# Altium PCB Charge ContollerV2.PcbDoc (part 1 of 2) (continued)
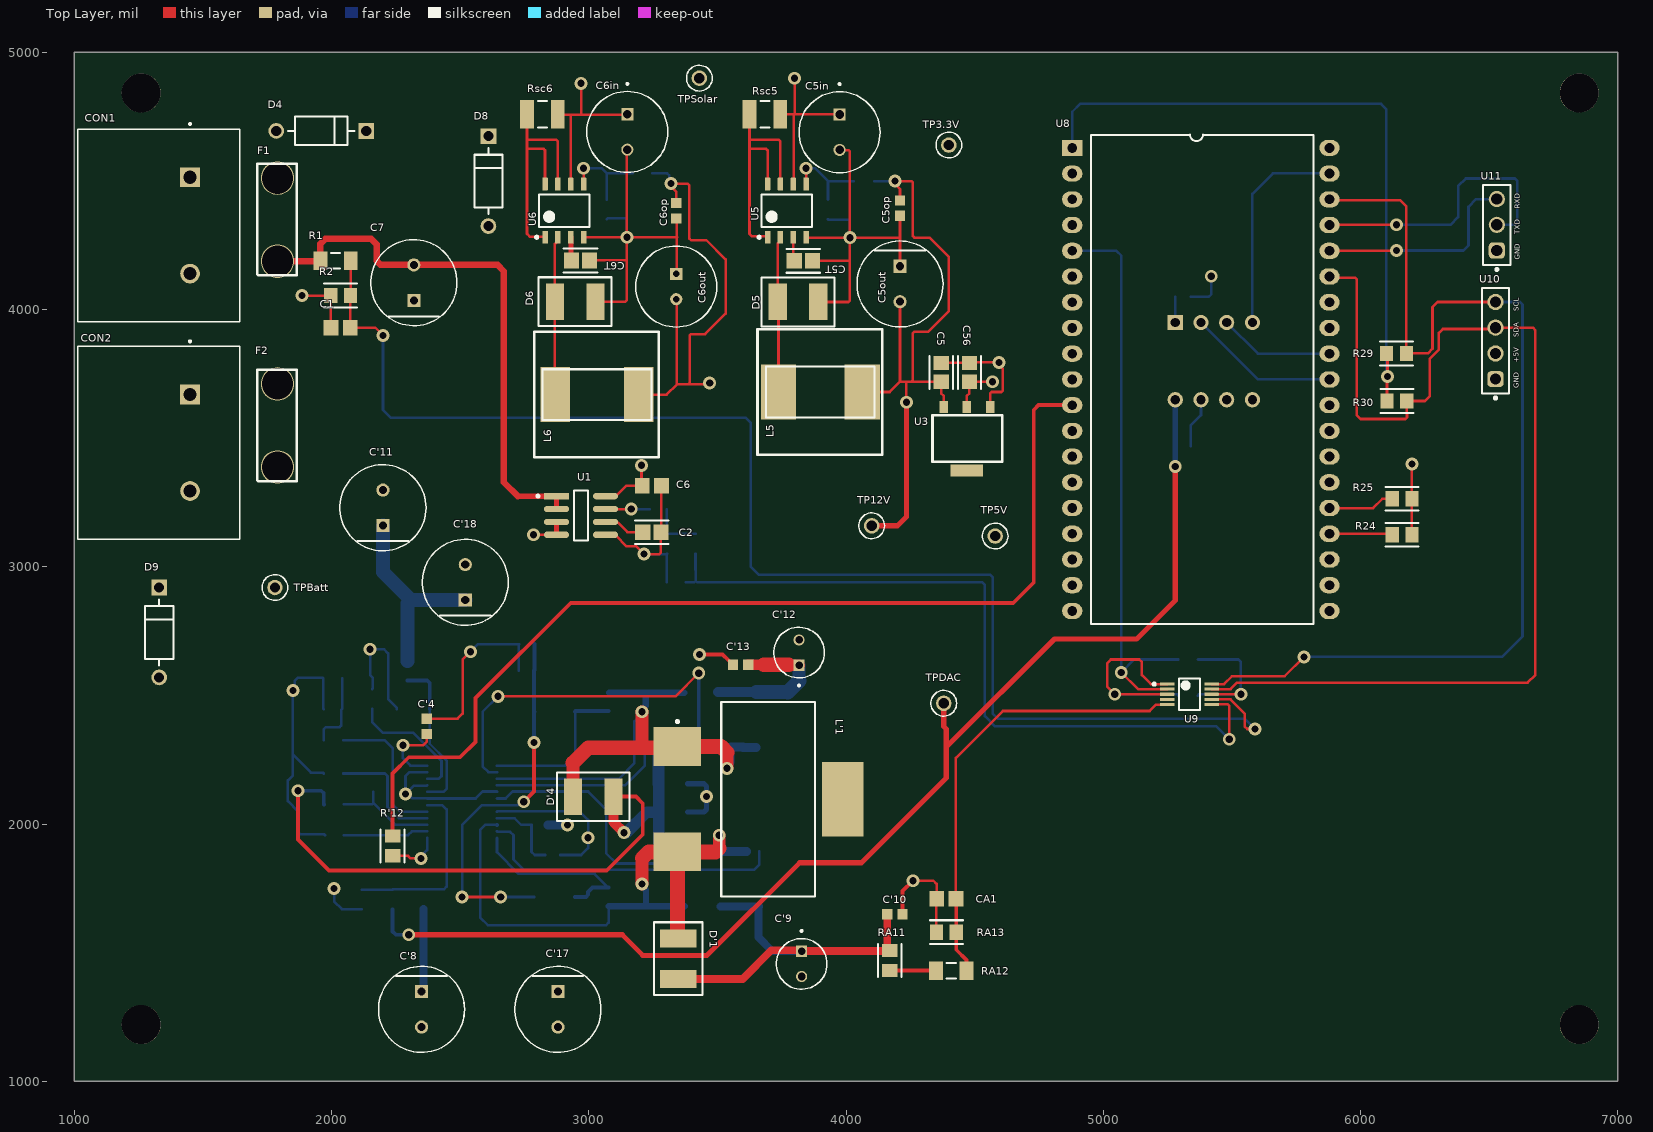
[diagram p0: Top Layer view]
## Part data (continued)
R'10 RA11: library part CRGCQ0805F100K, "Res Thick Film 0805 100K Ohm 1% 0.125W(1/8W) ±100ppm/C Pad SMD Automotive T/R", Ambient Temperature Range High=70°C, Case/Package=0805, Manufacturer="TE Connectivity", Manufacturer Lifecycle Status=ACTIVE, Max Operating Temperature=155°C, Min Operating Temperature=-55°C, Operating Supply Voltage=150V, Power Dissipation=125mW, Supplier Part Number=A129773CT-ND, Temperature Coefficient=100ppm/°C, Tolerance=1%, Category="Chip SMD Resistors", China RoHS=Non-Compliant, ComponentLink1Description=https://datasheet.octopart.com:443/CRGCQ0805F100K-TE-Connectivity-datasheet-114679081.pdf?src-supplier=Master+Electronics, ComponentLink1URL=https://datasheet.octopart.com:443/CRGCQ0805F100K-TE-Connectivity-datasheet-114679081.pdf?src-supplier=Master+Electronics, ComponentLink2Description=https://datasheet.octopart.com:443/4-2176341-9-TE-Connectivity---AMP-datasheet-189108688.pdf?src-supplier=Master+Electronics, ComponentLink2URL=https://datasheet.octopart.com:443/4-2176341-9-TE-Connectivity---AMP-datasheet-189108688.pdf?src-supplier=Master+Electronics, ComponentLink3Description=https://datasheet.octopart.com:443/CRGCQ0805F100K-TE-Connectivity-datasheet-179146984.pdf?src-supplier=IHS, ComponentLink3URL=https://datasheet.octopart.com:443/CRGCQ0805F100K-TE-Connectivity-datasheet-179146984.pdf?src-supplier=IHS, ComponentLink4Description=https://sigma.octopart.com:443/114695583/technical_drawing/TE-Connectivity-CRGCQ0805F100K.pdf?src-supplier=Sager+Electronics, ComponentLink4URL=https://sigma.octopart.com:443/114695583/technical_drawing/TE-Connectivity-CRGCQ0805F100K.pdf?src-supplier=Sager+Electronics, ComponentLink5Description=https://datasheet.octopart.com:443/4-2176341-9-TE-Connectivity-datasheet-184401332.pdf?src-supplier=Farnell, ComponentLink5URL=https://datasheet.octopart.com:443/4-2176341-9-TE-Connectivity-datasheet-184401332.pdf?src-supplier=Farnell, Composition="Thick Film", Height=550µm, Lifecycle Status=Production, Manufacturer Part Number=CRGCQ0805F100K, Mounting Technology="Surface Mount", Number of Terminals=2, Packaging="Cut Tape", Power Rating=125mW, Pricing="1=0.1, 10=0.036, 25=0.0272, 50=0.0224, 100=0.0185, 250=0.01456, 500=0.01242, 1000=0.01059 (USD)", REACH SVHC=Yes, RoHS=Compliant, Schedule B="8533210025, 8533210025|8533210025|8533210025|8533210025|8533210025|8533210025|8533210025|8533210025, 8533210025|8533210025|8533210025|8533210025|8533210025|8533210025|8533210025|8533210025|8533210025, 8533210025|8533210025|8533210025|8533210025|8533210025|8533210025|8533210025|8533210025|8533210025|8533210025", Stock=228346, Supplier=DigiKey, Voltage Rating=150V, Voltage Rating (DC)=150V, Width=1.25mm, Working Voltage=150V
Rsc5 Rsc6: library part RCWE1210R330FKEA, "RCWE Series 1210 1 W 0.33 Ohm ±1 % ±100 ppm/°C Thick Film Chip Resistor", Case Code (Imperial)=1210, Case Code (Metric)=3225, Manufacturer=Vishay, Max Operating Temperature=155°C, Max Power Dissipation=1W, Min Operating Temperature=-55°C, Supplier Part Number=RCWE.33FCT-ND, Temperature Coefficient=100ppm/°C, Tolerance=1%, Working Voltage=574.5mV, Case/Package=1210, Category="Chip SMD Resistors", China RoHS=Non-Compliant, ComponentLink1Description=https://datasheet.octopart.com:443/RCWE1210R330FKEA-Vishay-datasheet-170667730.pdf?src-supplier=IHS, ComponentLink1URL=https://datasheet.octopart.com:443/RCWE1210R330FKEA-Vishay-datasheet-170667730.pdf?src-supplier=IHS, ComponentLink2Description=https://datasheet.octopart.com:443/RCWE1210R330FKEA-Vishay-datasheet-78835242.pdf?src-supplier=Farnell, ComponentLink2URL=https://datasheet.octopart.com:443/RCWE1210R330FKEA-Vishay-datasheet-78835242.pdf?src-supplier=Farnell, ComponentLink3Description=https://datasheet.octopart.com:443/RCWE1210R330FKEA-Vishay-datasheet-10025643.pdf?src-supplier=element14+APAC, ComponentLink3URL=https://datasheet.octopart.com:443/RCWE1210R330FKEA-Vishay-datasheet-10025643.pdf?src-supplier=element14+APAC, ComponentLink4Description=https://datasheet.octopart.com:443/RCWE1210R330FKEA-Vishay-datasheet-13263558.pdf?src-supplier=Factory+Futures, ComponentLink4URL=https://datasheet.octopart.com:443/RCWE1210R330FKEA-Vishay-datasheet-13263558.pdf?src-supplier=Factory+Futures, ComponentLink5Description=https://datasheet.octopart.com:443/RCWE1210R330FKEA-Vishay-datasheet-13248156.pdf?src-supplier=Factory+Futures, ComponentLink5URL=https://datasheet.octopart.com:443/RCWE1210R330FKEA-Vishay-datasheet-13248156.pdf?src-supplier=Factory+Futures, ComponentLink6Description=https://datasheet.octopart.com:443/RCWE1210R330FKEA-Vishay-datasheet-12556293.pdf?src-supplier=Factory+Futures, ComponentLink6URL=https://datasheet.octopart.com:443/RCWE1210R330FKEA-Vishay-datasheet-12556293.pdf?src-supplier=Factory+Futures, ComponentLink7Description=https://datasheet.octopart.com:443/RCWE1210R330FKEA-Vishay-datasheet-12513971.pdf?src-supplier=Factory+Futures, ComponentLink7URL=https://datasheet.octopart.com:443/RCWE1210R330FKEA-Vishay-datasheet-12513971.pdf?src-supplier=Factory+Futures, ComponentLink8Description=http://sigma.octopart.com:80/rohs_statement/Vishay-company-15.pdf?src-supplier=Compliance+Statements, ComponentLink8URL=http://sigma.octopart.com:80/rohs_statement/Vishay-company-15.pdf?src-supplier=Compliance+Statements, Composition="Thick Film", Contact Plating=Tin, Depth=2.5mm, Features="Automotive AEC-Q200, Moisture Resistant", Height=600µm, Lead Free="Lead Free", Length=3.1mm, Lifecycle Status=Production, Manufacturer Part Number=RCWE1210R330FKEA, Military Standard=Not, Mounting Technology="Surface Mount", Number of Terminals=2, Number of Terminations=2, Pins=2, Power Dissipation=1W, Power Rating=1W, Pricing="1=0.49, 10=0.317, 25=0.2692, 50=0.2392, 100=0.2135, 250=0.18528, 500=0.16764, 1000=0.15263 (USD)", Radiation Hardening=No, REACH SVHC=Yes, RoHS=Compliant, Schedule B="8533210045, 8533210045|8533210045|8533210045|8533210045|8533210045", Stock=21995, Supplier=DigiKey, Termination=SMD/SMT, Width=2.5mm
U1: library part ACS712ELCTR-30A-T, "ACS712 Series 30A 66mV/A ±1.5% 5V 5µs Hall Sensor IC - SOIC-8", Ambient Temperature Range High=85°C, Case/Package=SOIC, Current Sensing=30A, Frequency=80kHz, Manufacturer="Allegro MicroSystems", Max Junction Temperature (Tj)=165°C, Max Supply Current=13mA, Max Supply Voltage=5.5V, Min Operating Temperature=-40°C, Min Supply Voltage=4.5V, Operating Supply Current=10mA, Operating Supply Voltage=5V, Output Voltage=8V, Accuracy=1.5%, Bandwidth=80kHz, Body Material=Plastic, Category="Hall Effect Sensors", China RoHS=Non-Compliant, ComponentLink1Description=https://datasheet.octopart.com:443/ACS712ELCTR-30A-T-Allegro-MicroSystems-datasheet-182231169.pdf?src-supplier=IHS, ComponentLink1URL=https://datasheet.octopart.com:443/ACS712ELCTR-30A-T-Allegro-MicroSystems-datasheet-182231169.pdf?src-supplier=IHS, ComponentLink2Description=https://datasheet.octopart.com:443/ACS712ELCTR-30A-T-Allegro-MicroSystems-LLC-datasheet-138895789.pdf?src-supplier=ODG+(Origin+Data+Global), ComponentLink2URL=https://datasheet.octopart.com:443/ACS712ELCTR-30A-T-Allegro-MicroSystems-LLC-datasheet-138895789.pdf?src-supplier=ODG+(Origin+Data+Global), ComponentLink3Description=https://datasheet.octopart.com:443/ACS712ELCTR-30A-T-Allegro-MicroSystems-LLC-datasheet-13439546.pdf?src-supplier=element14+APAC, ComponentLink3URL=https://datasheet.octopart.com:443/ACS712ELCTR-30A-T-Allegro-MicroSystems-LLC-datasheet-13439546.pdf?src-supplier=element14+APAC, ComponentLink4Description=https://datasheet.octopart.com:443/ACS712ELCTR-30A-T-Allegro-MicroSystems-LLC-datasheet-8557243.pdf?src-supplier=Newark, ComponentLink4URL=https://datasheet.octopart.com:443/ACS712ELCTR-30A-T-Allegro-MicroSystems-LLC-datasheet-8557243.pdf?src-supplier=Newark, ComponentLink5Description=https://datasheet.octopart.com:443/ACS712ELCTR-30A-T-Allegro-MicroSystems-LLC-datasheet-42423871.pdf?src-supplier=Newark, ComponentLink5URL=https://datasheet.octopart.com:443/ACS712ELCTR-30A-T-Allegro-MicroSystems-LLC-datasheet-42423871.pdf?src-supplier=Newark, ComponentLink6Description=https://datasheet.octopart.com:443/ACS712ELCTR-30A-T-Allegro-datasheet-126004.pdf?src-supplier=Farnell, ComponentLink6URL=https://datasheet.octopart.com:443/ACS712ELCTR-30A-T-Allegro-datasheet-126004.pdf?src-supplier=Farnell, ComponentLink7Description=https://datasheet.octopart.com:443/ACS712ELCTR-30A-T-Allegro-MicroSystems-datasheet-183136012.pdf?src-supplier=Future+Electronics, ComponentLink7URL=https://datasheet.octopart.com:443/ACS712ELCTR-30A-T-Allegro-MicroSystems-datasheet-183136012.pdf?src-supplier=Future+Electronics, ComponentLink8Description=https://datasheet.octopart.com:443/ACS712ELCTR-30A-T-Allegro-datasheet-15668584.pdf?src-supplier=Allegro, ComponentLink8URL=https://datasheet.octopart.com:443/ACS712ELCTR-30A-T-Allegro-datasheet-15668584.pdf?src-supplier=Allegro, ComponentLink9Description=https://datasheet.octopart.com:443/ACS712ELCTR-30A-T-Allegro-datasheet-14184423.pdf?src-supplier=iiiC, ComponentLink9URL=https://datasheet.octopart.com:443/ACS712ELCTR-30A-T-Allegro-datasheet-14184423.pdf?src-supplier=iiiC, ComponentLink10Description=https://datasheet.octopart.com:443/ACS712ELCTR-30A-T-Allegro-MicroSystems-LLC-datasheet-507168.pdf?src-supplier=TME, ComponentLink10URL=https://datasheet.octopart.com:443/ACS712ELCTR-30A-T-Allegro-MicroSystems-LLC-datasheet-507168.pdf?src-supplier=TME, Height=1.47mm, Lead Free="Lead Free", Length=4.9mm, Lifecycle Status=Production, Linearity=1.5%, Manufacturer Part Number=ACS712ELCTR-30A-T, Max Operating Temperature=85°C, Mounting Technology="Surface Mount", Number of Channels=1, Number of Terminals=8, Output Configuration=Analog, Output Current=10mA, Packaging="Cut Tape", Pins=8, Polarity=Bidirectional, Pricing="1=2.7545, 5=2.515, 10=2.275, 50=2.196, 100=2.066, 500=1.936, 1000=1.876 (USD)", Quiescent Current=10mA, REACH SVHC=Yes, Response Time=5µs, RoHS=Compliant, Schedule B="8542390000, 8542390000|8542390000|8542390000|8542390000|8542390000", Sensing Method="Hall Effect", Sensitivity (mV/A)=66mV/A, Stock=1472, Supplier="Arrow Electronics", Supplier Part Number=ACS712ELCTR-30A-T, Termination=SMD/SMT
U3: library part AMS1117
U4: library part LTC3780EG#TRPBF, "LTC3780 Buck-Boost Tape & Reel (TR) e3 DC to DC switching controller 3A 8.2mm 30V 200kHz~400kHz", Clock Frequency=440kHz, Manufacturer="Analog Devices", Manufacturer Lifecycle Status=PRODUCTION, Max Operating Temperature=85°C, Min Operating Temperature=-40°C, Output Current=3A, Output Voltage=30V, Supplier Part Number=LTC3780EG#TRPBFCT-ND, Switching Frequency=400kHz, Category="Voltage Regulators - Switching", Clock Sync=No, ComponentLink1Description=https://octopart.com:443/opatz8j6/c1?t=MF0UPteyKCXSfidbpoiA61kBpZS89ylGAaJ5cFOZuJtuEFxgkK4mVz2EKtpGtJoeeVzO_cXgXejvfJfIVJdg3n4-cYYjPN9VBofKhW8wRImrQyon0RXS_ztAs9S6DLW3YzrCS3rXC2rUhcZqwtgPhVw3kwmHklEmM5v-pmINShE7qzLrGqFxBHuAsmdduMtuVAzIxfwlHh0hLzDZi05x47uv2CvZLAvnnZf5gWe6RAMfbQt7ZuxWQt031MZNdHoDoBlsHts3mrzlAFWwxZaIBS0BeT6eiyFy9JXYji-2R8UOXbu8DWBBZg&src-supplier=Analog+Devices, ComponentLink1URL=https://octopart.com:443/opatz8j6/c1?t=MF0UPteyKCXSfidbpoiA61kBpZS89ylGAaJ5cFOZuJtuEFxgkK4mVz2EKtpGtJoeeVzO_cXgXejvfJfIVJdg3n4-cYYjPN9VBofKhW8wRImrQyon0RXS_ztAs9S6DLW3YzrCS3rXC2rUhcZqwtgPhVw3kwmHklEmM5v-pmINShE7qzLrGqFxBHuAsmdduMtuVAzIxfwlHh0hLzDZi05x47uv2CvZLAvnnZf5gWe6RAMfbQt7ZuxWQt031MZNdHoDoBlsHts3mrzlAFWwxZaIBS0BeT6eiyFy9JXYji-2R8UOXbu8DWBBZg&src-supplier=Analog+Devices, ComponentLink2Description=https://datasheet.octopart.com:443/LTC3780EG%23TRPBF-Analog-Devices-datasheet-141413152.pdf?src-supplier=Upverter, ComponentLink2URL=https://datasheet.octopart.com:443/LTC3780EG%23TRPBF-Analog-Devices-datasheet-141413152.pdf?src-supplier=Upverter, ComponentLink3Description=https://datasheet.octopart.com:443/LTC3780EG%23TRPBF-Analog-Devices-datasheet-158590489.pdf?src-supplier=Augswan, ComponentLink3URL=https://datasheet.octopart.com:443/LTC3780EG%23TRPBF-Analog-Devices-datasheet-158590489.pdf?src-supplier=Augswan, ComponentLink4Description=https://datasheet.octopart.com:443/LTC3780EG%23TRPBF-Linear-Technology-datasheet-15925265.pdf?src-supplier=iiiC, ComponentLink4URL=https://datasheet.octopart.com:443/LTC3780EG%23TRPBF-Linear-Technology-datasheet-15925265.pdf?src-supplier=iiiC, ComponentLink5Description=https://datasheet.octopart.com:443/LTC3780EG%23TRPBF-Linear-Technology-datasheet-14435223.pdf?src-supplier=Linear+Technology, ComponentLink5URL=https://datasheet.octopart.com:443/LTC3780EG%23TRPBF-Linear-Technology-datasheet-14435223.pdf?src-supplier=Linear+Technology, ComponentLink6Description=https://sigma.octopart.com:443/57699944/technical_drawing/Linear-Technology-LTC3780EG%23TRPBF.pdf?src-supplier=Linear+Technology, ComponentLink6URL=https://sigma.octopart.com:443/57699944/technical_drawing/Linear-Technology-LTC3780EG%23TRPBF.pdf?src-supplier=Linear+Technology, ComponentLink7Description=https://datasheet.octopart.com:443/LTC3780EG%23TRPBF-Linear-Technology-datasheet-11584774.pdf?src-supplier=Arrow+Electronics, ComponentLink7URL=https://datasheet.octopart.com:443/LTC3780EG%23TRPBF-Linear-Technology-datasheet-11584774.pdf?src-supplier=Arrow+Electronics, ComponentLink8Description=https://datasheet.octopart.com:443/LTC3780EG%23TRPBF-Linear-Technology-datasheet-8458730.pdf?src-supplier=Component+Distributors+Inc., ComponentLink8URL=https://datasheet.octopart.com:443/LTC3780EG%23TRPBF-Linear-Technology-datasheet-8458730.pdf?src-supplier=Component+Distributors+Inc., ComponentLink9Description=http://sigma.octopart.com:80/conflict_mineral_statement/Analog-Devices-company-33.pdf?src-supplier=Compliance+Statements, ComponentLink9URL=http://sigma.octopart.com:80/conflict_mineral_statement/Analog-Devices-company-33.pdf?src-supplier=Compliance+Statements, ComponentLink10Description=https://octopart.com:443/opatz8j6/c1?t=HgZbTt7oElTZfRnCoVFQ5hnvPvVZkNxKH02Rf09r-EWxDnxGhwvwFkDfBrZWNBHrJHdHVy4gW3yfw3rCgs1QuE-p_sa7HpTuNQP5hNXBG6bx1Lz36wwukLqzb0czPaTr7iNClgaFZ90Tru3WfHdcrewMD-M46fo_69kOFUhxAlaoXZ66Dc_ylUcekOxv_Ar2s86o8kjPE94MZb0S5hNsuGD8-BgAL918S4_6pDstRgGgXz7EX2cz2OrY_vqZ1UvVLxTj8t66IDFV1L5aAFMgg0cH1KZcg5GUt5zbhg53ns_Q0VY9gzzWFw&src-supplier=Compliance+Statements, ComponentLink10URL=https://octopart.com:443/opatz8j6/c1?t=HgZbTt7oElTZfRnCoVFQ5hnvPvVZkNxKH02Rf09r-EWxDnxGhwvwFkDfBrZWNBHrJHdHVy4gW3yfw3rCgs1QuE-p_sa7HpTuNQP5hNXBG6bx1Lz36wwukLqzb0czPaTr7iNClgaFZ90Tru3WfHdcrewMD-M46fo_69kOFUhxAlaoXZ66Dc_ylUcekOxv_Ar2s86o8kjPE94MZb0S5hNsuGD8-BgAL918S4_6pDstRgGgXz7EX2cz2OrY_vqZ1UvVLxTj8t66IDFV1L5aAFMgg0cH1KZcg5GUt5zbhg53ns_Q0VY9gzzWFw&src-supplier=Compliance+Statements, Duty Cycle=99%, Lifecycle Status=Production, Manufacturer Part Number=LTC3780EG#TRPBF, Max Duty Cycle=99%, Number of Output Phases=1, Number of Outputs=1, Output Configuration=Positive, Packaging="Tape and Reel", Pins=24, Pricing="1=13.55, 10=10.676, 25=9.9588, 100=9.4248 (USD)", RoHS=Compliant, Schedule B="8542390000, 8542390000|8542390000, 8542390000|8542390000|8542390000, 8542390000|8542390000|8542390000|8542390000", Stock=8570, Supplier=DigiKey, Synchronous Rectifier=Yes, Topology=Buck-Boost
U5 U6: "1.5-A boost, buck, inverting switching regulator, operation from -40°C to 85°C 8-SOIC -40 to 85", Case/Package=SOIC, Manufacturer="Texas Instruments", Manufacturer Lifecycle Status=ACTIVE, Max Operating Temperature=85°C, Max Output current=750mA, Max Output Voltage=40V, Min Input Voltage=3V, Min Operating Temperature=-40°C, Min Output Voltage=1.25V, Output Current=1.5A, Quiescent Current=4mA, Supplier Part Number=296-17763-1-ND, Switching Frequency=100kHz, Category="Voltage Regulators - Switching", ComponentLink1Description=https://octopart.com:443/opatz8j6/c1?t=vRUIAOtUKQQXvKqlrexfz4d8y8SFcyA-_XtbYegMgY-IuIHpQagvyubSixvLCS_JDfIKt_x49E7oZRWRd2BYWVXw9riueRxdDMFAsJXXPSqOaGP_nMLA8edQwSNTnMdmR1QsnAu_2HxxO1rwpalXz5NHB4arOO7zP6RfKxWUVDNQ7aNY3RcHgLh8TPXRHc2v_TLvNv-KiSbEAIFDeTYUuYJBqwNy3sQmWDm06T9xZhirujnXW-71LBNlB35zEcw1f5jl7Jwf5Aatpw8_Y0XlWi65mimBgoqKr7BJn1UODlk-uLR8ncNtZqIX6iRmA18OAad3m3uXmi8PXYahMMydeUxFiCmjmLIy7NAXwyodWvx5H3_ir9o9F0TP9Dp4ezsZFjQt&src-supplier=Texas+Instruments, ComponentLink1URL=https://octopart.com:443/opatz8j6/c1?t=vRUIAOtUKQQXvKqlrexfz4d8y8SFcyA-_XtbYegMgY-IuIHpQagvyubSixvLCS_JDfIKt_x49E7oZRWRd2BYWVXw9riueRxdDMFAsJXXPSqOaGP_nMLA8edQwSNTnMdmR1QsnAu_2HxxO1rwpalXz5NHB4arOO7zP6RfKxWUVDNQ7aNY3RcHgLh8TPXRHc2v_TLvNv-KiSbEAIFDeTYUuYJBqwNy3sQmWDm06T9xZhirujnXW-71LBNlB35zEcw1f5jl7Jwf5Aatpw8_Y0XlWi65mimBgoqKr7BJn1UODlk-uLR8ncNtZqIX6iRmA18OAad3m3uXmi8PXYahMMydeUxFiCmjmLIy7NAXwyodWvx5H3_ir9o9F0TP9Dp4ezsZFjQt&src-supplier=Texas+Instruments, ComponentLink2Description=https://datasheet.octopart.com:443/MC33063ADR-Texas-Instruments-datasheet-10254267.pdf?src-supplier=Texas+Instruments, ComponentLink2URL=https://datasheet.octopart.com:443/MC33063ADR-Texas-Instruments-datasheet-10254267.pdf?src-supplier=Texas+Instruments, ComponentLink3Description=https://sigma.octopart.com:443/49249642/technical_drawing/Texas-Instruments-MC33063ADR.pdf?src-supplier=Texas+Instruments, ComponentLink3URL=https://sigma.octopart.com:443/49249642/technical_drawing/Texas-Instruments-MC33063ADR.pdf?src-supplier=Texas+Instruments, ComponentLink4Description=https://datasheet.octopart.com:443/MC33063ADR-Texas-Instruments-datasheet-149239.pdf?src-supplier=Texas+Instruments, ComponentLink4URL=https://datasheet.octopart.com:443/MC33063ADR-Texas-Instruments-datasheet-149239.pdf?src-supplier=Texas+Instruments, ComponentLink5Description=https://datasheet.octopart.com:443/MC33063ADR-Texas-Instruments-datasheet-149238.pdf?src-supplier=Texas+Instruments, ComponentLink5URL=https://datasheet.octopart.com:443/MC33063ADR-Texas-Instruments-datasheet-149238.pdf?src-supplier=Texas+Instruments, ComponentLink6Description=https://datasheet.octopart.com:443/MC33063ADR-Texas-Instruments-datasheet-149237.pdf?src-supplier=Texas+Instruments, ComponentLink6URL=https://datasheet.octopart.com:443/MC33063ADR-Texas-Instruments-datasheet-149237.pdf?src-supplier=Texas+Instruments, ComponentLink7Description=https://datasheet.octopart.com:443/MC33063ADR-Texas-Instruments-datasheet-149241.pdf?src-supplier=Texas+Instruments, ComponentLink7URL=https://datasheet.octopart.com:443/MC33063ADR-Texas-Instruments-datasheet-149241.pdf?src-supplier=Texas+Instruments, ComponentLink8Description=https://datasheet.octopart.com:443/MC33063ADR-Texas-Instruments-datasheet-149240.pdf?src-supplier=Texas+Instruments, ComponentLink8URL=https://datasheet.octopart.com:443/MC33063ADR-Texas-Instruments-datasheet-149240.pdf?src-supplier=Texas+Instruments, ComponentLink9Description=https://datasheet.octopart.com:443/MC33063ADR-Texas-Instruments-datasheet-81639027.pdf?src-supplier=Farnell, ComponentLink9URL=https://datasheet.octopart.com:443/MC33063ADR-Texas-Instruments-datasheet-81639027.pdf?src-supplier=Farnell, ComponentLink10Description=https://datasheet.octopart.com:443/MC33063ADR-Texas-Instruments-datasheet-37140769.pdf?src-supplier=Farnell, ComponentLink10URL=https://datasheet.octopart.com:443/MC33063ADR-Texas-Instruments-datasheet-37140769.pdf?src-supplier=Farnell, ComponentLink11Description=https://datasheet.octopart.com:443/MC33063ADR-Texas-Instruments-datasheet-12606816.pdf?src-supplier=Farnell, ComponentLink11URL=https://datasheet.octopart.com:443/MC33063ADR-Texas-Instruments-datasheet-12606816.pdf?src-supplier=Farnell, ComponentLink12Description=https://datasheet.octopart.com:443/MC33063ADR-Texas-Instruments-datasheet-33038661.pdf?src-supplier=element14+APAC, ComponentLink12URL=https://datasheet.octopart.com:443/MC33063ADR-Texas-Instruments-datasheet-33038661.pdf?src-supplier=element14+APAC, ComponentLink13Description=https://datasheet.octopart.com:443/MC33063ADR.-Texas-Instruments-datasheet-65572232.pdf?src-supplier=element14+APAC, ComponentLink13URL=https://datasheet.octopart.com:443/MC33063ADR.-Texas-Instruments-datasheet-65572232.pdf?src-supplier=element14+APAC, ComponentLink14Description=https://datasheet.octopart.com:443/MC33063ADR.-Texas-Instruments-datasheet-58444985.pdf?src-supplier=element14+APAC, ComponentLink14URL=https://datasheet.octopart.com:443/MC33063ADR.-Texas-Instruments-datasheet-58444985.pdf?src-supplier=element14+APAC, ComponentLink15Description=https://datasheet.octopart.com:443/MC33063ADR-Texas-Instruments-datasheet-23714746.pdf?src-supplier=Newark, ComponentLink15URL=https://datasheet.octopart.com:443/MC33063ADR-Texas-Instruments-datasheet-23714746.pdf?src-supplier=Newark, ComponentLink16Description=https://datasheet.octopart.com:443/MC33063ADR-Texas-Instruments-datasheet-12052.pdf?src-supplier=Newark, ComponentLink16URL=https://datasheet.octopart.com:443/MC33063ADR-Texas-Instruments-datasheet-12052.pdf?src-supplier=Newark, ComponentLink17Description=https://datasheet.octopart.com:443/MC33063ADR-Texas-Instruments-datasheet-159115500.pdf?src-supplier=LCSC, ComponentLink17URL=https://datasheet.octopart.com:443/MC33063ADR-Texas-Instruments-datasheet-159115500.pdf?src-supplier=LCSC, ComponentLink18Description=https://datasheet.octopart.com:443/MC33063ADR-Texas-Instruments-datasheet-137316104.pdf?src-supplier=Future+Electronics, ComponentLink18URL=https://datasheet.octopart.com:443/MC33063ADR-Texas-Instruments-datasheet-137316104.pdf?src-supplier=Future+Electronics, ComponentLink19Description=https://datasheet.octopart.com:443/MC33063ADR-Texas-Instruments-datasheet-11768196.pdf?src-supplier=Arrow+Electronics, ComponentLink19URL=https://datasheet.octopart.com:443/MC33063ADR-Texas-Instruments-datasheet-11768196.pdf?src-supplier=Arrow+Electronics, ComponentLink20Description=https://datasheet.octopart.com:443/MC33063ADR-Texas-Instruments-datasheet-8883959.pdf?src-supplier=element14, ComponentLink20URL=https://datasheet.octopart.com:443/MC33063ADR-Texas-Instruments-datasheet-8883959.pdf?src-supplier=element14, ComponentLink21Description=https://datasheet.octopart.com:443/MC33063ADR-Texas-Instruments-datasheet-137654.pdf?src-supplier=DigiKey, ComponentLink21URL=https://datasheet.octopart.com:443/MC33063ADR-Texas-Instruments-datasheet-137654.pdf?src-supplier=DigiKey, ComponentLink22Description=https://datasheet.octopart.com:443/MC33063ADR-Texas-Instruments-datasheet-14045796.pdf?src-supplier=iiiC, ComponentLink22URL=https://datasheet.octopart.com:443/MC33063ADR-Texas-Instruments-datasheet-14045796.pdf?src-supplier=iiiC, ComponentLink23Description=http://sigma.octopart.com:80/conflict_mineral_statement/Texas-Instruments-company-63.pdf?src-supplier=Compliance+Statements, ComponentLink23URL=http://sigma.octopart.com:80/conflict_mineral_statement/Texas-Instruments-company-63.pdf?src-supplier=Compliance+Statements, ComponentLink24Description=http://sigma.octopart.com:80/reach_statement/Texas-Instruments-company-64.pdf?src-supplier=Compliance+Statements, ComponentLink24URL=http://sigma.octopart.com:80/reach_statement/Texas-Instruments-company-64.pdf?src-supplier=Compliance+Statements, Contact Plating=Gold, Height=1.75mm, Lead Free="Lead Free", Length=4.9mm, Lifecycle Status=Production, Manufacturer Part Number=MC33063ADR, Max Supply Voltage=40V, Number of Channels=1, Number of Outputs=1, Output Type=Adjustable, Output Voltage=1.25V, Packaging="Cut Tape", Pins=8, Pricing="1=0.7, 10=0.499, 25=0.4484, 100=0.3924, 250=0.36564, 500=0.3495, 1000=0.33623 (USD)", REACH SVHC=No, RoHS=Compliant, Schedule B="8542390000, 8542390000|8542390000|8542390000|8542390000|8542390000", Stock=28348, Supplier=DigiKey, Synchronous Rectifier=No, Termination=SMD/SMT, Thickness=1.58mm, Topology="Boost, Buck, Flyback, SEPIC", Weight=72.603129mg, Width=3.91mm
U7: library part MCP4822-E/P, "DAC 2-CH Resistor-String 12-bit Automotive AEC-Q100 8-Pin PDIP Tube", Case/Package=PDIP, Input Offset Voltage (Vos)=820µV, Manufacturer=Microchip, Max Operating Temperature=125°C, Max Supply Voltage=5.5V, Min Operating Temperature=-40°C, Min Supply Voltage=2.7V, Nominal Supply Current=415µA, Operating Supply Voltage=5V, Reference Voltage=2.048V, Supplier Part Number=579-MCP4822-E/P, Category="Digital to Analog Converters (DACs)", ComponentLink1Description=https://datasheet.octopart.com:443/MCP4822-E/P-Microchip-datasheet-8699770.pdf?src-supplier=Upverter, ComponentLink1URL=https://datasheet.octopart.com:443/MCP4822-E/P-Microchip-datasheet-8699770.pdf?src-supplier=Upverter, ComponentLink2Description=https://datasheet.octopart.com:443/MCP4822-E-P-Microchip-datasheet-45401543.pdf?src-supplier=Microchip, ComponentLink2URL=https://datasheet.octopart.com:443/MCP4822-E-P-Microchip-datasheet-45401543.pdf?src-supplier=Microchip, ComponentLink3Description=https://datasheet.octopart.com:443/MCP4822-E/P-Microchip-datasheet-4684.pdf?src-supplier=element14, ComponentLink3URL=https://datasheet.octopart.com:443/MCP4822-E/P-Microchip-datasheet-4684.pdf?src-supplier=element14, ComponentLink4Description=https://datasheet.octopart.com:443/MCP4822-E-P-Microchip-datasheet-116133661.pdf?src-supplier=TME, ComponentLink4URL=https://datasheet.octopart.com:443/MCP4822-E-P-Microchip-datasheet-116133661.pdf?src-supplier=TME, ComponentLink5Description=https://datasheet.octopart.com:443/MCP4822-E-P-Microchip-datasheet-158592061.pdf?src-supplier=SHENGYU+ELECTRONICS, ComponentLink5URL=https://datasheet.octopart.com:443/MCP4822-E-P-Microchip-datasheet-158592061.pdf?src-supplier=SHENGYU+ELECTRONICS, ComponentLink6Description=https://datasheet.octopart.com:443/MCP4822-E/P-Microchip-datasheet-204.pdf?src-supplier=Mouser, ComponentLink6URL=https://datasheet.octopart.com:443/MCP4822-E/P-Microchip-datasheet-204.pdf?src-supplier=Mouser, ComponentLink7Description=https://datasheet.octopart.com:443/MCP4822-E-P-Microchip-datasheet-140568179.pdf?src-supplier=Arrow.cn, ComponentLink7URL=https://datasheet.octopart.com:443/MCP4822-E-P-Microchip-datasheet-140568179.pdf?src-supplier=Arrow.cn, ComponentLink8Description=http://sigma.octopart.com:80/188449171/materials_sheet/Microchip-MCP4822-E-P.pdf?src-supplier=Compliance+Statements, ComponentLink8URL=http://sigma.octopart.com:80/188449171/materials_sheet/Microchip-MCP4822-E-P.pdf?src-supplier=Compliance+Statements, ComponentLink9Description=http://sigma.octopart.com:80/189109226/materials_sheet/Microchip-MCP4822-E-P.pdf?src-supplier=Compliance+Statements, ComponentLink9URL=http://sigma.octopart.com:80/189109226/materials_sheet/Microchip-MCP4822-E-P.pdf?src-supplier=Compliance+Statements, ComponentLink10Description=http://sigma.octopart.com:80/rohs_statement/Microchip-company-71.pdf?src-supplier=Compliance+Statements, ComponentLink10URL=http://sigma.octopart.com:80/rohs_statement/Microchip-company-71.pdf?src-supplier=Compliance+Statements, ComponentLink11Description=http://sigma.octopart.com:80/reach_statement/Microchip-company-70.pdf?src-supplier=Compliance+Statements, ComponentLink11URL=http://sigma.octopart.com:80/reach_statement/Microchip-company-70.pdf?src-supplier=Compliance+Statements, ComponentLink12Description=http://sigma.octopart.com:80/conflict_mineral_statement/Microchip-company-69.pdf?src-supplier=Compliance+Statements, ComponentLink12URL=http://sigma.octopart.com:80/conflict_mineral_statement/Microchip-company-69.pdf?src-supplier=Compliance+Statements, ComponentLink13Description=http://sigma.octopart.com:80/conflict_mineral_statement/Microchip-company-68.pdf?src-supplier=Compliance+Statements, ComponentLink13URL=http://sigma.octopart.com:80/conflict_mineral_statement/Microchip-company-68.pdf?src-supplier=Compliance+Statements, Country of Assembly=Thailand, Country of Fabrication="United States of America", Country of Origin=Thailand, Export Control Classification Number (ECCN) Code=EAR99, Harmonized Tariff Schedule (HTS) Code=8542.39.0040, Height=3.3mm, Integral Nonlinearity (INL)=12LSB, Interface="SPI, Serial", Introduction Date=2005-06-15, Lead Free="Lead Free", Length=9.4mm, Lifecycle Status=Production, Manufacturer Part Number=MCP4822-E/P, Mounting Technology="Through Hole", Number of Bits=12, Number of Channels=2, Number of Converters=2, Number of DAC Channels=2, Output Type=Voltage, Packaging=Bulk, Pins=8, Polarity="Bipolar, Unipolar", Pricing="1=4.28, 10=4.28, 50=3.57, 100=3.57, 1000=3.24, 10000=3.24 (USD)", Projected EOL Date=2034-06-15, Radiation Hardening=No, REACH SVHC=No, Resolution=1.5B, RoHS=Compliant, Schedule B="8542390000, 8542390000|8542390000|8542390000|8542390000|8542390000", Settling Time=4.5µs, Stock=376, Supplier=Mouser, Supply Type=Single, Width=6.35mm
U8: "ESP32-WROOM-32UE Series Evaluation Board 802.11 b/g/n (WiFi, WLAN) Bluetooth Smart Ready 4.x Dual Mode", Manufacturer="Espressif Systems", Supplier Part Number=1965-ESP32-DEVKITC-32UE-ND, Category="NFC / RFID Components", ComponentLink1Description=https://datasheet.octopart.com:443/ESP32-DEVKITC-32UE-Espressif-Systems-datasheet-165560559.pdf?src-supplier=TME, ComponentLink1URL=https://datasheet.octopart.com:443/ESP32-DEVKITC-32UE-Espressif-Systems-datasheet-165560559.pdf?src-supplier=TME, ComponentLink2Description=https://datasheet.octopart.com:443/ESP32-DEVKITC-32UE-Espressif-Systems-datasheet-147573221.pdf?src-supplier=TME, ComponentLink2URL=https://datasheet.octopart.com:443/ESP32-DEVKITC-32UE-Espressif-Systems-datasheet-147573221.pdf?src-supplier=TME, ComponentLink3Description=https://datasheet.octopart.com:443/ESP32-DEVKITC-32UE-Espressif-Systems-datasheet-151884363.pdf?src-supplier=Future+Electronics, ComponentLink3URL=https://datasheet.octopart.com:443/ESP32-DEVKITC-32UE-Espressif-Systems-datasheet-151884363.pdf?src-supplier=Future+Electronics, Manufacturer Part Number=ESP32-DEVKITC-32UE, Pricing="1=10 (USD)", RoHS=Compliant, Stock=548, Supplier=DigiKey
U9: library part ADS1115IDGSR, "4-Channel Single ADC Delta-Sigma 860sps 16-bit Serial 10-Pin VSSOP T/R", Ambient Temperature Range High=125°C, Case/Package=VSSOP, Manufacturer="Texas Instruments", Manufacturer Lifecycle Status=ACTIVE, Max Junction Temperature (Tj)=150°C, Max Supply Voltage=5.5V, Min Operating Temperature=-40°C, Min Supply Voltage=2V, Nominal Supply Current=150µA, Power Dissipation=900µW, Supplier Part Number=296-38849-6-ND, Category="Analog to Digital Converters (ADCs)", ComponentLink1Description=https://datasheet.octopart.com:443/ADS1115IDGSR-Texas-Instruments-datasheet-21818186.pdf?src-supplier=Newark, ComponentLink1URL=https://datasheet.octopart.com:443/ADS1115IDGSR-Texas-Instruments-datasheet-21818186.pdf?src-supplier=Newark, ComponentLink2Description=https://octopart.com:443/opatz8j6/c1?t=jqZ_aAFWVJxK3x1CmperKkt8EMt5DEb8Y9Yv71DJPNGTum_PW8wQIAEpikUMffBcyNFnvLMhAolzrszVaYdR8EjpWvdNKXWPEpvU7IScClabsYfwDY45PlLWbqxl9WN6zmAooqNCHX6fdm1aSsmYfyw0M_KhKwLpABOPtCZE5nB2jg_oHpW2LirQWAaCgD5oLIkU2tzA36DKRRAa_c2CDTqIoBxxRW_086V_otgBncZwqnBEX-gBIFxhKojQrAY0ChFK06xoYtYwX0Toc72PC6TgEasbYzt3AWGMC-XgUsHLFPRrsTqkmvYcrLTJD7jUVu15R-J0Tef-JsbBWHXg_AOjfYUfpZBbzy-q0f04x_ZO4PN2jj-1a8jP4Us532d0Azjr0NA&src-supplier=Texas+Instruments, ComponentLink2URL=https://octopart.com:443/opatz8j6/c1?t=jqZ_aAFWVJxK3x1CmperKkt8EMt5DEb8Y9Yv71DJPNGTum_PW8wQIAEpikUMffBcyNFnvLMhAolzrszVaYdR8EjpWvdNKXWPEpvU7IScClabsYfwDY45PlLWbqxl9WN6zmAooqNCHX6fdm1aSsmYfyw0M_KhKwLpABOPtCZE5nB2jg_oHpW2LirQWAaCgD5oLIkU2tzA36DKRRAa_c2CDTqIoBxxRW_086V_otgBncZwqnBEX-gBIFxhKojQrAY0ChFK06xoYtYwX0Toc72PC6TgEasbYzt3AWGMC-XgUsHLFPRrsTqkmvYcrLTJD7jUVu15R-J0Tef-JsbBWHXg_AOjfYUfpZBbzy-q0f04x_ZO4PN2jj-1a8jP4Us532d0Azjr0NA&src-supplier=Texas+Instruments, ComponentLink3Description=https://datasheet.octopart.com:443/ADS1115IDGSR-Texas-Instruments-datasheet-10254488.pdf?src-supplier=Texas+Instruments, ComponentLink3URL=https://datasheet.octopart.com:443/ADS1115IDGSR-Texas-Instruments-datasheet-10254488.pdf?src-supplier=Texas+Instruments, ComponentLink4Description=https://datasheet.octopart.com:443/ADS1115IDGSR-Texas-Instruments-datasheet-10258908.pdf?src-supplier=Texas+Instruments, ComponentLink4URL=https://datasheet.octopart.com:443/ADS1115IDGSR-Texas-Instruments-datasheet-10258908.pdf?src-supplier=Texas+Instruments, ComponentLink5Description=https://sigma.octopart.com:443/49250172/technical_drawing/Texas-Instruments-ADS1115IDGSR.pdf?src-supplier=Texas+Instruments, ComponentLink5URL=https://sigma.octopart.com:443/49250172/technical_drawing/Texas-Instruments-ADS1115IDGSR.pdf?src-supplier=Texas+Instruments, ComponentLink6Description=https://datasheet.octopart.com:443/ADS1115IDGSR-Texas-Instruments-datasheet-159114584.pdf?src-supplier=LCSC, ComponentLink6URL=https://datasheet.octopart.com:443/ADS1115IDGSR-Texas-Instruments-datasheet-159114584.pdf?src-supplier=LCSC, ComponentLink7Description=https://datasheet.octopart.com:443/ADS1115IDGSR-Texas-Instruments-datasheet-164412415.pdf?src-supplier=SHENGYU+ELECTRONICS, ComponentLink7URL=https://datasheet.octopart.com:443/ADS1115IDGSR-Texas-Instruments-datasheet-164412415.pdf?src-supplier=SHENGYU+ELECTRONICS, ComponentLink8Description=https://datasheet.octopart.com:443/ADS1115IDGSR-Texas-Instruments-datasheet-78774318.pdf?src-supplier=Farnell, ComponentLink8URL=https://datasheet.octopart.com:443/ADS1115IDGSR-Texas-Instruments-datasheet-78774318.pdf?src-supplier=Farnell, ComponentLink9Description=https://datasheet.octopart.com:443/ADS1115IDGSR-Texas-Instruments-datasheet-150582607.pdf?src-supplier=Arrow.cn, ComponentLink9URL=https://datasheet.octopart.com:443/ADS1115IDGSR-Texas-Instruments-datasheet-150582607.pdf?src-supplier=Arrow.cn, ComponentLink10Description=https://datasheet.octopart.com:443/ADS1115IDGSR-Texas-Instruments-datasheet-14070808.pdf?src-supplier=iiiC, ComponentLink10URL=https://datasheet.octopart.com:443/ADS1115IDGSR-Texas-Instruments-datasheet-14070808.pdf?src-supplier=iiiC, ComponentLink11Description=http://sigma.octopart.com:80/reach_statement/Texas-Instruments-company-64.pdf?src-supplier=Compliance+Statements, ComponentLink11URL=http://sigma.octopart.com:80/reach_statement/Texas-Instruments-company-64.pdf?src-supplier=Compliance+Statements, ComponentLink12Description=http://sigma.octopart.com:80/conflict_mineral_statement/Texas-Instruments-company-63.pdf?src-supplier=Compliance+Statements, ComponentLink12URL=http://sigma.octopart.com:80/conflict_mineral_statement/Texas-Instruments-company-63.pdf?src-supplier=Compliance+Statements, Contact Plating=Gold, Conversion Rate=860sps, Height=1.07mm, Integral Nonlinearity (INL)=1LSB, Interface=I2C, Lead Free="Lead Free", Length=3mm, Lifecycle Status=Production, Manufacturer Part Number=ADS1115IDGSR, Max Operating Temperature=125°C, Max Supply Voltage (DC)=5.5V, Min Supply Voltage (DC)=2V, Number of A/D Converters=1, Number of Bits=16, Number of Channels=2, Number of Converters=1, Number of Inputs=4, Pins=10, Polarity=Bipolar, Pricing="1=5.12, 10=3.906, 25=3.602, 100=3.2676, 250=3.1082, 500=3.01214, 1000=2.93308 (USD)", Radiation Hardening=No, REACH SVHC=No, Resolution=2B, RoHS=Compliant, Sampling Rate=860sps, Schedule B="8542390000, 8542390000|8542390000|8542390000|8542390000|8542390000", Stock=9094, Supplier=DigiKey, Supply Type=Single, Thickness=1.02mm, Width=3mm
U10: library part "4 pin headers (male)"
U11: library part "UART pins"

## Free pads (board coordinates)
  round 151.18 hole 151.18: MH(1259.84,1220.47) MH(1259.84,4842.52) MH(6850.39,1220.47) MH(6850.39,4842.52)

## Via types
v1: diameter 50, hole 28, Top Layer to Bottom Layer, 55 vias